# KiCad board poly_kb_molecule_16x5.kicad_pcb (continued)
## Routing (per net, layer and track width the routed paths; a pad name or vN(x,y) marks a point on that pad's centre or on a via; arc(x,y) is an arc through that point) (continued)
  Bottom w0.254: v1(116.95,21.5) 117,21.5 117.9,22.4 117.9,22.4 117.9,23.87 118.22,24.19 118.69,24.19 118.69,24.19 118.91,24.19 118.91,24.2 119.1,24.2 ; 290.55,24.2 290.65,24.2 290.75,24.3 292.05,24.3 292.21,24.46 298.12,24.46 298.4,24.74 298.4,24.78 298.4,24.78 298.4,24.8 298.4,24.8 298.4,25.56 298.63,25.78 298.63,28.04 298.35,28.32 298.35,29.51 297.81,30.04 SW1#53.1 ; 290.55,24.2 290.36,24.2 290.36,24.19 290.14,24.19 290.14,24.19 289.67,24.19 289.35,23.87 289.35,22.4 289.35,22.4 288.45,21.5 v1(288.4,21.5) ; 290.55,24.2 290.55,24.2 ; SW1#2.1 240.67,49.09 241.2,48.56 241.2,47.37 241.48,47.09 241.48,44.83 241.25,44.61 241.25,43.85 241.25,43.85 241.25,43.83 241.25,43.83 241.25,43.79 240.97,43.51 235.06,43.51 234.9,43.35 233.6,43.35 233.5,43.25 233.4,43.25 ; v1(59.8,21.5) 59.85,21.5 60.75,22.4 60.75,22.4 60.75,23.87 61.07,24.19 61.54,24.19 61.54,24.19 61.76,24.19 61.76,24.2 61.95,24.2 ; 176.25,5.15 176.35,5.15 176.45,5.25 177.75,5.25 177.91,5.41 183.82,5.41 184.1,5.69 184.1,5.73 184.1,5.73 184.1,5.75 184.1,5.75 184.1,6.51 184.33,6.73 184.33,8.99 184.05,9.27 184.05,10.46 183.51,10.99 SW1#74.1 ; 176.25,5.15 176.06,5.15 176.06,5.14 175.84,5.14 175.84,5.14 175.37,5.14 175.05,4.82 175.05,3.35 175.05,3.35 174.15,2.45 v1(174.1,2.45) ; 176.25,5.15 176.25,5.15 ; 138.15,43.25 138.15,43.25 ; 138.15,43.25 137.96,43.25 137.96,43.24 137.74,43.24 137.74,43.24 137.27,43.24 136.95,42.92 136.95,41.45 136.95,41.45 136.05,40.55 v1(136,40.55) ; 138.15,43.25 138.25,43.25 138.35,43.35 139.65,43.35 139.81,43.51 145.72,43.51 146,43.79 146,43.83 146,43.83 146,43.85 146,43.85 146,44.61 146.23,44.83 146.23,47.09 145.95,47.37 145.95,48.56 145.41,49.09 SW1#56.1 ; 100.05,5.15 100.15,5.15 100.25,5.25 101.55,5.25 101.71,5.41 107.62,5.41 107.9,5.69 107.9,5.73 107.9,5.73 107.9,5.75 107.9,5.75 107.9,6.51 108.13,6.73 108.13,8.99 107.85,9.27 107.85,10.46 107.31,10.99 SW1#6.1 ; 100.05,5.15 99.86,5.15 99.86,5.14 99.64,5.14 99.64,5.14 99.17,5.14 98.85,4.82 98.85,3.35 98.85,3.35 97.95,2.45 v1(97.9,2.45) ; 100.05,5.15 100.05,5.15 ; 4.8,24.2 4.9,24.2 5,24.3 6.3,24.3 6.46,24.46 12.37,24.46 12.65,24.74 12.65,24.78 12.65,24.78 12.65,24.8 12.65,24.8 12.65,25.56 12.88,25.78 12.88,28.04 12.6,28.32 12.6,29.51 12.06,30.04 SW1#34.1 ; 4.8,24.2 4.8,24.2 ; 4.8,24.2 4.61,24.2 4.61,24.19 4.39,24.19 4.39,24.19 3.92,24.19 3.6,23.87 3.6,22.4 3.6,22.4 2.7,21.5 v1(2.65,21.5) ; SW1#23.1 202.56,10.99 203.1,10.46 203.1,9.27 203.38,8.99 203.38,6.73 203.15,6.51 203.15,5.75 203.15,5.75 203.15,5.73 203.15,5.73 203.15,5.69 202.87,5.41 196.96,5.41 196.8,5.25 195.5,5.25 195.4,5.15 195.3,5.15 ; SW1#7.1 278.76,68.14 279.3,67.61 279.3,66.42 279.58,66.14 279.58,63.88 279.35,63.66 279.35,62.9 279.35,62.9 279.35,62.88 279.35,62.88 279.35,62.84 279.07,62.56 273.16,62.56 273,62.4 271.7,62.4 271.6,62.3 271.5,62.3 ; 176.25,81.35 176.25,81.35 ; 176.25,81.35 176.35,81.35 176.45,81.45 177.75,81.45 177.91,81.61 183.82,81.61 184.1,81.89 184.1,81.93 184.1,81.93 184.1,81.95 184.1,81.95 184.1,82.71 184.33,82.93 184.33,85.19 184.05,85.47 184.05,86.66 183.51,87.19 SW1#22.1 ; 176.25,81.35 176.06,81.35 176.06,81.34 175.84,81.34 175.84,81.34 175.37,81.34 175.05,81.02 175.05,79.55 175.05,79.55 174.15,78.65 v1(174.1,78.65) ; v1(250.3,78.65) 250.35,78.65 251.25,79.55 251.25,79.55 251.25,81.02 251.57,81.34 252.04,81.34 252.04,81.34 252.26,81.34 252.26,81.35 252.45,81.35 ; 4.8,5.15 4.8,5.15 ; 4.8,5.15 4.61,5.15 4.61,5.14 4.39,5.14 4.39,5.14 3.92,5.14 3.6,4.82 3.6,3.35 3.6,3.35 2.7,2.45 v1(2.65,2.45) ; 4.8,5.15 4.9,5.15 5,5.25 6.3,5.25 6.46,5.41 12.37,5.41 12.65,5.69 12.65,5.73 12.65,5.73 12.65,5.75 12.65,5.75 12.65,6.51 12.88,6.73 12.88,8.99 12.6,9.27 12.6,10.46 12.06,10.99 SW1#30.1 ; 100.05,24.2 99.86,24.2 99.86,24.19 99.64,24.19 99.64,24.19 99.17,24.19 98.85,23.87 98.85,22.4 98.85,22.4 97.95,21.5 v1(97.9,21.5) ; 100.05,24.2 100.15,24.2 100.25,24.3 101.55,24.3 101.71,24.46 107.62,24.46 107.9,24.74 107.9,24.78 107.9,24.78 107.9,24.8 107.9,24.8 107.9,25.56 108.13,25.78 108.13,28.04 107.85,28.32 107.85,29.51 107.31,30.04 SW1#9.1 ; 100.05,24.2 100.05,24.2 ; v1(21.7,21.5) 21.75,21.5 22.65,22.4 22.65,22.4 22.65,23.87 22.97,24.19 23.44,24.19 23.44,24.19 23.66,24.19 23.66,24.2 23.85,24.2 ; 214.35,62.3 214.45,62.3 214.55,62.4 215.85,62.4 216.01,62.56 221.92,62.56 222.2,62.84 222.2,62.88 222.2,62.88 222.2,62.9 222.2,62.9 222.2,63.66 222.43,63.88 222.43,66.14 222.15,66.42 222.15,67.61 221.62,68.14 SW1#4.1 ; 214.35,62.3 214.16,62.3 214.16,62.29 213.94,62.29 213.94,62.29 213.47,62.29 213.15,61.97 213.15,60.5 213.15,60.5 212.25,59.6 v1(212.2,59.6) ; 214.35,62.3 214.35,62.3 ; 214.35,24.2 214.35,24.2 ; 214.35,24.2 214.16,24.2 214.16,24.19 213.94,24.19 213.94,24.19 213.47,24.19 213.15,23.87 213.15,22.4 213.15,22.4 212.25,21.5 v1(212.2,21.5) ; 214.35,24.2 214.45,24.2 214.55,24.3 215.85,24.3 216.01,24.46 221.92,24.46 222.2,24.74 222.2,24.78 222.2,24.78 222.2,24.8 222.2,24.8 222.2,25.56 222.43,25.78 222.43,28.04 222.15,28.32 222.15,29.51 221.62,30.04 SW1#37.1 ; 233.4,62.3 233.5,62.3 233.6,62.4 234.9,62.4 235.06,62.56 240.97,62.56 241.25,62.84 241.25,62.88 241.25,62.88 241.25,62.9 241.25,62.9 241.25,63.66 241.48,63.88 241.48,66.14 241.2,66.42 241.2,67.61 240.67,68.14 SW1#72.1 ; 233.4,62.3 233.4,62.3 ; 233.4,62.3 233.21,62.3 233.21,62.29 232.99,62.29 232.99,62.29 232.52,62.29 232.2,61.97 232.2,60.5 232.2,60.5 231.3,59.6 v1(231.25,59.6) ; 119.1,24.2 119.1,24.2 ; 119.1,24.2 119.2,24.2 119.3,24.3 120.6,24.3 120.76,24.46 126.67,24.46 126.95,24.74 126.95,24.78 126.95,24.78 126.95,24.8 126.95,24.8 126.95,25.56 127.18,25.78 127.18,28.04 126.9,28.32 126.9,29.51 126.37,30.04 SW1#19.1 ; 23.85,81.35 23.66,81.35 23.66,81.34 23.44,81.34 23.44,81.34 22.97,81.34 22.65,81.02 22.65,79.55 22.65,79.55 21.75,78.65 v1(21.7,78.65) ; 23.85,81.35 23.95,81.35 24.05,81.45 25.35,81.45 25.51,81.61 31.42,81.61 31.7,81.89 31.7,81.93 31.7,81.93 31.7,81.95 31.7,81.95 31.7,82.71 31.93,82.93 31.93,85.19 31.65,85.47 31.65,86.66 31.11,87.19 SW1#42.1 ; 23.85,81.35 23.85,81.35 ; 100.05,81.35 99.86,81.35 99.86,81.34 99.64,81.34 99.64,81.34 99.17,81.34 98.85,81.02 98.85,79.55 98.85,79.55 97.95,78.65 v1(97.9,78.65) ; 100.05,81.35 100.05,81.35 ; 100.05,81.35 100.15,81.35 100.25,81.45 101.55,81.45 101.71,81.61 107.62,81.61 107.9,81.89 107.9,81.93 107.9,81.93 107.9,81.95 107.9,81.95 107.9,82.71 108.13,82.93 108.13,85.19 107.85,85.47 107.85,86.66 107.31,87.19 SW1#43.1 ; v1(78.85,2.45) 78.9,2.45 79.8,3.35 79.8,3.35 79.8,4.82 80.12,5.14 80.59,5.14 80.59,5.14 80.81,5.14 80.81,5.15 81,5.15 ; SW1#63.1 50.16,68.14 50.7,67.61 50.7,66.42 50.98,66.14 50.98,63.88 50.75,63.66 50.75,62.9 50.75,62.9 50.75,62.88 50.75,62.88 50.75,62.84 50.47,62.56 44.56,62.56 44.4,62.4 43.1,62.4 43,62.3 42.9,62.3 ; 252.45,5.15 252.45,5.15 ; 252.45,5.15 252.55,5.15 252.65,5.25 253.95,5.25 254.11,5.41 260.02,5.41 260.3,5.69 260.3,5.73 260.3,5.73 260.3,5.75 260.3,5.75 260.3,6.51 260.53,6.73 260.53,8.99 260.25,9.27 260.25,10.46 259.71,10.99 SW1#12.1 ; 252.45,5.15 252.26,5.15 252.26,5.14 252.04,5.14 252.04,5.14 251.57,5.14 251.25,4.82 251.25,3.35 251.25,3.35 250.35,2.45 v1(250.3,2.45) ; v1(116.95,78.65) 117,78.65 117.9,79.55 117.9,79.55 117.9,81.02 118.22,81.34 118.69,81.34 118.69,81.34 118.91,81.34 118.91,81.35 119.1,81.35 ; 138.15,81.35 137.96,81.35 137.96,81.34 137.74,81.34 137.74,81.34 137.27,81.34 136.95,81.02 136.95,79.55 136.95,79.55 136.05,78.65 v1(136,78.65) ; 138.15,81.35 138.15,81.35 ; 138.15,81.35 138.25,81.35 138.35,81.45 139.65,81.45 139.81,81.61 145.72,81.61 146,81.89 146,81.93 146,81.93 146,81.95 146,81.95 146,82.71 146.23,82.93 146.23,85.19 145.95,85.47 145.95,86.66 145.41,87.19 SW1#64.1 ; 138.15,5.15 137.96,5.15 137.96,5.14 137.74,5.14 137.74,5.14 137.27,5.14 136.95,4.82 136.95,3.35 136.95,3.35 136.05,2.45 v1(136,2.45) ; 138.15,5.15 138.25,5.15 138.35,5.25 139.65,5.25 139.81,5.41 145.72,5.41 146,5.69 146,5.73 146,5.73 146,5.75 146,5.75 146,6.51 146.23,6.73 146.23,8.99 145.95,9.27 145.95,10.46 145.41,10.99 SW1#62.1 ; 138.15,5.15 138.15,5.15 ; 195.3,43.25 195.3,43.25 ; 195.3,43.25 195.4,43.25 195.5,43.35 196.8,43.35 196.96,43.51 202.87,43.51 203.15,43.79 203.15,43.83 203.15,43.83 203.15,43.85 203.15,43.85 203.15,44.61 203.38,44.83 203.38,47.09 203.1,47.37 203.1,48.56 202.56,49.09 SW1#61.1 ; 195.3,43.25 195.11,43.25 195.11,43.24 194.89,43.24 194.89,43.24 194.42,43.24 194.1,42.92 194.1,41.45 194.1,41.45 193.2,40.55 v1(193.15,40.55) ; 233.4,5.15 233.4,5.15 ; 233.4,5.15 233.21,5.15 233.21,5.14 232.99,5.14 232.99,5.14 232.52,5.14 232.2,4.82 232.2,3.35 232.2,3.35 231.3,2.45 v1(231.25,2.45) ; 233.4,5.15 233.5,5.15 233.6,5.25 234.9,5.25 235.06,5.41 240.97,5.41 241.25,5.69 241.25,5.73 241.25,5.73 241.25,5.75 241.25,5.75 241.25,6.51 241.48,6.73 241.48,8.99 241.2,9.27 241.2,10.46 240.67,10.99 SW1#13.1 ; 252.45,24.2 252.26,24.2 252.26,24.19 252.04,24.19 252.04,24.19 251.57,24.19 251.25,23.87 251.25,22.4 251.25,22.4 250.35,21.5 v1(250.3,21.5) ; 252.45,24.2 252.55,24.2 252.65,24.3 253.95,24.3 254.11,24.46 260.02,24.46 260.3,24.74 260.3,24.78 260.3,24.78 260.3,24.8 260.3,24.8 260.3,25.56 260.53,25.78 260.53,28.04 260.25,28.32 260.25,29.51 259.71,30.04 SW1#54.1 ; 252.45,24.2 252.45,24.2 ; 233.4,43.25 233.4,43.25 ; 233.4,43.25 233.21,43.25 233.21,43.24 232.99,43.24 232.99,43.24 232.52,43.24 232.2,42.92 232.2,41.45 232.2,41.45 231.3,40.55 v1(231.25,40.55) ; 100.05,43.25 99.86,43.25 99.86,43.24 99.64,43.24 99.64,43.24 99.17,43.24 98.85,42.92 98.85,41.45 98.85,41.45 97.95,40.55 v1(97.9,40.55) ; 100.05,43.25 100.15,43.25 100.25,43.35 101.55,43.35 101.71,43.51 107.62,43.51 107.9,43.79 107.9,43.83 107.9,43.83 107.9,43.85 107.9,43.85 107.9,44.61 108.13,44.83 108.13,47.09 107.85,47.37 107.85,48.56 107.31,49.09 SW1#29.1 ; 100.05,43.25 100.05,43.25 ; 61.95,43.25 61.95,43.25 ; 61.95,43.25 61.76,43.25 61.76,43.24 61.54,43.24 61.54,43.24 61.07,43.24 60.75,42.92 60.75,41.45 60.75,41.45 59.85,40.55 v1(59.8,40.55) ; 61.95,43.25 62.05,43.25 62.15,43.35 63.45,43.35 63.61,43.51 69.52,43.51 69.8,43.79 69.8,43.83 69.8,43.83 69.8,43.85 69.8,43.85 69.8,44.61 70.03,44.83 70.03,47.09 69.75,47.37 69.75,48.56 69.22,49.09 SW1#35.1 ; v1(269.35,59.6) 269.4,59.6 270.3,60.5 270.3,60.5 270.3,61.97 270.62,62.29 271.09,62.29 271.09,62.29 271.31,62.29 271.31,62.3 271.5,62.3 ; v1(288.4,59.6) 288.45,59.6 289.35,60.5 289.35,60.5 289.35,61.97 289.67,62.29 290.14,62.29 290.14,62.29 290.36,62.29 290.36,62.3 290.55,62.3 ; 195.3,81.35 195.4,81.35 195.5,81.45 196.8,81.45 196.96,81.61 202.87,81.61 203.15,81.89 203.15,81.93 203.15,81.93 203.15,81.95 203.15,81.95 203.15,82.71 203.38,82.93 203.38,85.19 203.1,85.47 203.1,86.66 202.56,87.19 SW1#66.1 ; 195.3,81.35 195.3,81.35 ; 195.3,81.35 195.11,81.35 195.11,81.34 194.89,81.34 194.89,81.34 194.42,81.34 194.1,81.02 194.1,79.55 194.1,79.55 193.2,78.65 v1(193.15,78.65) ; SW1#78.1 278.76,10.99 279.3,10.46 279.3,9.27 279.58,8.99 279.58,6.73 279.35,6.51 279.35,5.75 279.35,5.75 279.35,5.73 279.35,5.73 279.35,5.69 279.07,5.41 273.16,5.41 273,5.25 271.7,5.25 271.6,5.15 271.5,5.15 ; 81,5.15 81,5.15 ; 81,5.15 81.1,5.15 81.2,5.25 82.5,5.25 82.66,5.41 88.57,5.41 88.85,5.69 88.85,5.73 88.85,5.73 88.85,5.75 88.85,5.75 88.85,6.51 89.08,6.73 89.08,8.99 88.8,9.27 88.8,10.46 88.27,10.99 SW1#48.1 ; 290.55,43.25 290.55,43.25 ; 290.55,43.25 290.36,43.25 290.36,43.24 290.14,43.24 290.14,43.24 289.67,43.24 289.35,42.92 289.35,41.45 289.35,41.45 288.45,40.55 v1(288.4,40.55) ; 290.55,43.25 290.65,43.25 290.75,43.35 292.05,43.35 292.21,43.51 298.12,43.51 298.4,43.79 298.4,43.83 298.4,43.83 298.4,43.85 298.4,43.85 298.4,44.61 298.63,44.83 298.63,47.09 298.35,47.37 298.35,48.56 297.81,49.09 SW1#33.1 ; SW1#38.1 183.51,49.09 184.05,48.56 184.05,47.37 184.33,47.09 184.33,44.83 184.1,44.61 184.1,43.85 184.1,43.85 184.1,43.83 184.1,43.83 184.1,43.79 183.82,43.51 177.91,43.51 177.75,43.35 176.45,43.35 176.35,43.25 176.25,43.25 ; SW1.1 12.06,87.19 12.6,86.66 12.6,85.47 12.88,85.19 12.88,82.93 12.65,82.71 12.65,81.95 12.65,81.95 12.65,81.93 12.65,81.93 12.65,81.89 12.37,81.61 6.46,81.61 6.3,81.45 5,81.45 4.9,81.35 4.8,81.35 ; 42.9,62.3 42.71,62.3 42.71,62.29 42.49,62.29 42.49,62.29 42.02,62.29 41.7,61.97 41.7,60.5 41.7,60.5 40.8,59.6 v1(40.75,59.6) ; 42.9,62.3 42.9,62.3 ; v1(212.2,2.45) 212.25,2.45 213.15,3.35 213.15,3.35 213.15,4.82 213.47,5.14 213.94,5.14 213.94,5.14 214.16,5.14 214.16,5.15 214.35,5.15 ; SW1#76.1 50.16,87.19 50.7,86.66 50.7,85.47 50.98,85.19 50.98,82.93 50.75,82.71 50.75,81.95 50.75,81.95 50.75,81.93 50.75,81.93 50.75,81.89 50.47,81.61 44.56,81.61 44.4,81.45 43.1,81.45 43,81.35 42.9,81.35 ; 195.3,24.2 195.11,24.2 195.11,24.19 194.89,24.19 194.89,24.19 194.42,24.19 194.1,23.87 194.1,22.4 194.1,22.4 193.2,21.5 v1(193.15,21.5) ; 195.3,24.2 195.4,24.2 195.5,24.3 196.8,24.3 196.96,24.46 202.87,24.46 203.15,24.74 203.15,24.78 203.15,24.78 203.15,24.8 203.15,24.8 203.15,25.56 203.38,25.78 203.38,28.04 203.1,28.32 203.1,29.51 202.56,30.04 SW1#11.1 ; 195.3,24.2 195.3,24.2 ; 23.85,43.25 23.85,43.25 ; 23.85,43.25 23.95,43.25 24.05,43.35 25.35,43.35 25.51,43.51 31.42,43.51 31.7,43.79 31.7,43.83 31.7,43.83 31.7,43.85 31.7,43.85 31.7,44.61 31.93,44.83 31.93,47.09 31.65,47.37 31.65,48.56 31.11,49.09 SW1#71.1 ; 23.85,43.25 23.66,43.25 23.66,43.24 23.44,43.24 23.44,43.24 22.97,43.24 22.65,42.92 22.65,41.45 22.65,41.45 21.75,40.55 v1(21.7,40.55) ; 23.85,62.3 23.85,62.3 ; 23.85,62.3 23.66,62.3 23.66,62.29 23.44,62.29 23.44,62.29 22.97,62.29 22.65,61.97 22.65,60.5 22.65,60.5 21.75,59.6 v1(21.7,59.6) ; 23.85,62.3 23.95,62.3 24.05,62.4 25.35,62.4 25.51,62.56 31.42,62.56 31.7,62.84 31.7,62.88 31.7,62.88 31.7,62.9 31.7,62.9 31.7,63.66 31.93,63.88 31.93,66.14 31.65,66.42 31.65,67.61 31.11,68.14 SW1#39.1 ; 176.25,43.25 176.06,43.25 176.06,43.24 175.84,43.24 175.84,43.24 175.37,43.24 175.05,42.92 175.05,41.45 175.05,41.45 174.15,40.55 v1(174.1,40.55) ; 176.25,43.25 176.25,43.25 ; 81,43.25 80.81,43.25 80.81,43.24 80.59,43.24 80.59,43.24 80.12,43.24 79.8,42.92 79.8,41.45 79.8,41.45 78.9,40.55 v1(78.85,40.55) ; 81,43.25 81,43.25 ; 81,43.25 81.1,43.25 81.2,43.35 82.5,43.35 82.66,43.51 88.57,43.51 88.85,43.79 88.85,43.83 88.85,43.83 88.85,43.85 88.85,43.85 88.85,44.61 89.08,44.83 89.08,47.09 88.8,47.37 88.8,48.56 88.27,49.09 SW1#3.1 ; 119.1,62.3 119.1,62.3 ; 119.1,62.3 118.91,62.3 118.91,62.29 118.69,62.29 118.69,62.29 118.22,62.29 117.9,61.97 117.9,60.5 117.9,60.5 117,59.6 v1(116.95,59.6) ; 119.1,62.3 119.2,62.3 119.3,62.4 120.6,62.4 120.76,62.56 126.67,62.56 126.95,62.84 126.95,62.88 126.95,62.88 126.95,62.9 126.95,62.9 126.95,63.66 127.18,63.88 127.18,66.14 126.9,66.42 126.9,67.61 126.37,68.14 SW1#44.1 ; 233.4,81.35 233.4,81.35 ; 233.4,81.35 233.21,81.35 233.21,81.34 232.99,81.34 232.99,81.34 232.52,81.34 232.2,81.02 232.2,79.55 232.2,79.55 231.3,78.65 v1(231.25,78.65) ; 233.4,81.35 233.5,81.35 233.6,81.45 234.9,81.45 235.06,81.61 240.97,81.61 241.25,81.89 241.25,81.93 241.25,81.93 241.25,81.95 241.25,81.95 241.25,82.71 241.48,82.93 241.48,85.19 241.2,85.47 241.2,86.66 240.67,87.19 SW1#8.1 ; 195.3,62.3 195.11,62.3 195.11,62.29 194.89,62.29 194.89,62.29 194.42,62.29 194.1,61.97 194.1,60.5 194.1,60.5 193.2,59.6 v1(193.15,59.6) ; 195.3,62.3 195.4,62.3 195.5,62.4 196.8,62.4 196.96,62.56 202.87,62.56 203.15,62.84 203.15,62.88 203.15,62.88 203.15,62.9 203.15,62.9 203.15,63.66 203.38,63.88 203.38,66.14 203.1,66.42 203.1,67.61 202.56,68.14 SW1#49.1 ; 195.3,62.3 195.3,62.3 ; 214.35,5.15 214.45,5.15 214.55,5.25 215.85,5.25 216.01,5.41 221.92,5.41 222.2,5.69 222.2,5.73 222.2,5.73 222.2,5.75 222.2,5.75 222.2,6.51 222.43,6.73 222.43,8.99 222.15,9.27 222.15,10.46 221.62,10.99 SW1#52.1 ; 214.35,5.15 214.35,5.15 ; 271.5,5.15 271.5,5.15 ; 271.5,5.15 271.31,5.15 271.31,5.14 271.09,5.14 271.09,5.14 270.62,5.14 270.3,4.82 270.3,3.35 270.3,3.35 269.4,2.45 v1(269.35,2.45) ; 176.25,62.3 176.35,62.3 176.45,62.4 177.75,62.4 177.91,62.56 183.82,62.56 184.1,62.84 184.1,62.88 184.1,62.88 184.1,62.9 184.1,62.9 184.1,63.66 184.33,63.88 184.33,66.14 184.05,66.42 184.05,67.61 183.51,68.14 SW1#10.1 ; 176.25,62.3 176.06,62.3 176.06,62.29 175.84,62.29 175.84,62.29 175.37,62.29 175.05,61.97 175.05,60.5 175.05,60.5 174.15,59.6 v1(174.1,59.6) ; 176.25,62.3 176.25,62.3 ; SW1#31.1 278.76,30.04 279.3,29.51 279.3,28.32 279.58,28.04 279.58,25.78 279.35,25.56 279.35,24.8 279.35,24.8 279.35,24.78 279.35,24.78 279.35,24.74 279.07,24.46 273.16,24.46 273,24.3 271.7,24.3 271.6,24.2 271.5,24.2 ; 23.85,5.15 23.66,5.15 23.66,5.14 23.44,5.14 23.44,5.14 22.97,5.14 22.65,4.82 22.65,3.35 22.65,3.35 21.75,2.45 v1(21.7,2.45) ; 23.85,5.15 23.85,5.15 ; 23.85,5.15 23.95,5.15 24.05,5.25 25.35,5.25 25.51,5.41 31.42,5.41 31.7,5.69 31.7,5.73 31.7,5.73 31.7,5.75 31.7,5.75 31.7,6.51 31.93,6.73 31.93,8.99 31.65,9.27 31.65,10.46 31.11,10.99 SW1#69.1 ; v1(269.35,40.55) 269.4,40.55 270.3,41.45 270.3,41.45 270.3,42.92 270.62,43.24 271.09,43.24 271.09,43.24 271.31,43.24 271.31,43.25 271.5,43.25 ; SW1#25.1 50.16,30.04 50.7,29.51 50.7,28.32 50.98,28.04 50.98,25.78 50.75,25.56 50.75,24.8 50.75,24.8 50.75,24.78 50.75,24.78 50.75,24.74 50.47,24.46 44.56,24.46 44.4,24.3 43.1,24.3 43,24.2 42.9,24.2 ; SW1#55.1 145.41,30.04 145.95,29.51 145.95,28.32 146.23,28.04 146.23,25.78 146,25.56 146,24.8 146,24.8 146,24.78 146,24.78 146,24.74 145.72,24.46 139.81,24.46 139.65,24.3 138.35,24.3 138.25,24.2 138.15,24.2 ; v1(40.75,21.5) 40.8,21.5 41.7,22.4 41.7,22.4 41.7,23.87 42.02,24.19 42.49,24.19 42.49,24.19 42.71,24.19 42.71,24.2 42.9,24.2 ; 42.9,24.2 42.9,24.2 ; 61.95,81.35 61.76,81.35 61.76,81.34 61.54,81.34 61.54,81.34 61.07,81.34 60.75,81.02 60.75,79.55 60.75,79.55 59.85,78.65 v1(59.8,78.65) ; 61.95,81.35 62.05,81.35 62.15,81.45 63.45,81.45 63.61,81.61 69.52,81.61 69.8,81.89 69.8,81.93 69.8,81.93 69.8,81.95 69.8,81.95 69.8,82.71 70.03,82.93 70.03,85.19 69.75,85.47 69.75,86.66 69.22,87.19 SW1#40.1 ; 61.95,81.35 61.95,81.35 ; v1(231.25,21.5) 231.3,21.5 232.2,22.4 232.2,22.4 232.2,23.87 232.52,24.19 232.99,24.19 232.99,24.19 233.21,24.19 233.21,24.2 233.4,24.2 ; 214.35,43.25 214.35,43.25 ; 214.35,43.25 214.16,43.25 214.16,43.24 213.94,43.24 213.94,43.24 213.47,43.24 213.15,42.92 213.15,41.45 213.15,41.45 212.25,40.55 v1(212.2,40.55) ; 214.35,43.25 214.45,43.25 214.55,43.35 215.85,43.35 216.01,43.51 221.92,43.51 222.2,43.79 222.2,43.83 222.2,43.83 222.2,43.85 222.2,43.85 222.2,44.61 222.43,44.83 222.43,47.09 222.15,47.37 222.15,48.56 221.62,49.09 SW1#70.1 ; v1(40.75,78.65) 40.8,78.65 41.7,79.55 41.7,79.55 41.7,81.02 42.02,81.34 42.49,81.34 42.49,81.34 42.71,81.34 42.71,81.35 42.9,81.35 ; 61.95,62.3 61.95,62.3 ; 61.95,62.3 62.05,62.3 62.15,62.4 63.45,62.4 63.61,62.56 69.52,62.56 69.8,62.84 69.8,62.88 69.8,62.88 69.8,62.9 69.8,62.9 69.8,63.66 70.03,63.88 70.03,66.14 69.75,66.42 69.75,67.61 69.22,68.14 SW1#57.1 ; 61.95,62.3 61.76,62.3 61.76,62.29 61.54,62.29 61.54,62.29 61.07,62.29 60.75,61.97 60.75,60.5 60.75,60.5 59.85,59.6 v1(59.8,59.6) ; 271.5,43.25 271.6,43.25 271.7,43.35 273,43.35 273.16,43.51 279.07,43.51 279.35,43.79 279.35,43.83 279.35,43.83 279.35,43.85 279.35,43.85 279.35,44.61 279.58,44.83 279.58,47.09 279.3,47.37 279.3,48.56 278.76,49.09 SW1#20.1 ; 271.5,43.25 271.5,43.25 ; 233.4,24.2 233.4,24.2 ; 233.4,24.2 233.5,24.2 233.6,24.3 234.9,24.3 235.06,24.46 240.97,24.46 241.25,24.74 241.25,24.78 241.25,24.78 241.25,24.8 241.25,24.8 241.25,25.56 241.48,25.78 241.48,28.04 241.2,28.32 241.2,29.51 240.67,30.04 SW1#18.1 ; 290.55,5.15 290.55,5.15 ; 290.55,5.15 290.65,5.15 290.75,5.25 292.05,5.25 292.21,5.41 298.12,5.41 298.4,5.69 298.4,5.73 298.4,5.73 298.4,5.75 298.4,5.75 298.4,6.51 298.63,6.73 298.63,8.99 298.35,9.27 298.35,10.46 297.81,10.99 SW1#59.1 ; 290.55,5.15 290.36,5.15 290.36,5.14 290.14,5.14 290.14,5.14 289.67,5.14 289.35,4.82 289.35,3.35 289.35,3.35 288.45,2.45 v1(288.4,2.45) ; 290.55,81.35 290.36,81.35 290.36,81.34 290.14,81.34 290.14,81.34 289.67,81.34 289.35,81.02 289.35,79.55 289.35,79.55 288.45,78.65 v1(288.4,78.65) ; 290.55,81.35 290.55,81.35 ; 290.55,81.35 290.65,81.35 290.75,81.45 292.05,81.45 292.21,81.61 298.12,81.61 298.4,81.89 298.4,81.93 298.4,81.93 298.4,81.95 298.4,81.95 298.4,82.71 298.63,82.93 298.63,85.19 298.35,85.47 298.35,86.66 297.81,87.19 SW1#73.1 ; v1(250.3,59.6) 250.35,59.6 251.25,60.5 251.25,60.5 251.25,61.97 251.57,62.29 252.04,62.29 252.04,62.29 252.26,62.29 252.26,62.3 252.45,62.3 ; v1(59.8,2.45) 59.85,2.45 60.75,3.35 60.75,3.35 60.75,4.82 61.07,5.14 61.54,5.14 61.54,5.14 61.76,5.14 61.76,5.15 61.95,5.15 ; 100.05,62.3 100.05,62.3 ; 100.05,62.3 100.15,62.3 100.25,62.4 101.55,62.4 101.71,62.56 107.62,62.56 107.9,62.84 107.9,62.88 107.9,62.88 107.9,62.9 107.9,62.9 107.9,63.66 108.13,63.88 108.13,66.14 107.85,66.42 107.85,67.61 107.31,68.14 SW1#32.1 ; 100.05,62.3 99.86,62.3 99.86,62.29 99.64,62.29 99.64,62.29 99.17,62.29 98.85,61.97 98.85,60.5 98.85,60.5 97.95,59.6 v1(97.9,59.6) ; 119.1,81.35 119.2,81.35 119.3,81.45 120.6,81.45 120.76,81.61 126.67,81.61 126.95,81.89 126.95,81.93 126.95,81.93 126.95,81.95 126.95,81.95 126.95,82.71 127.18,82.93 127.18,85.19 126.9,85.47 126.9,86.66 126.37,87.19 SW1#27.1 ; 119.1,81.35 119.1,81.35 ; 271.5,24.2 271.31,24.2 271.31,24.19 271.09,24.19 271.09,24.19 270.62,24.19 270.3,23.87 270.3,22.4 270.3,22.4 269.4,21.5 v1(269.35,21.5) ; 271.5,24.2 271.5,24.2 ; SW1#36.1 88.27,87.19 88.8,86.66 88.8,85.47 89.08,85.19 89.08,82.93 88.85,82.71 88.85,81.95 88.85,81.95 88.85,81.93 88.85,81.93 88.85,81.89 88.57,81.61 82.66,81.61 82.5,81.45 81.2,81.45 81.1,81.35 81,81.35 ; 138.15,62.3 137.96,62.3 137.96,62.29 137.74,62.29 137.74,62.29 137.27,62.29 136.95,61.97 136.95,60.5 136.95,60.5 136.05,59.6 v1(136,59.6) ; 138.15,62.3 138.25,62.3 138.35,62.4 139.65,62.4 139.81,62.56 145.72,62.56 146,62.84 146,62.88 146,62.88 146,62.9 146,62.9 146,63.66 146.23,63.88 146.23,66.14 145.95,66.42 145.95,67.61 145.41,68.14 SW1#68.1 ; 138.15,62.3 138.15,62.3 ; 119.1,43.25 119.1,43.25 ; 119.1,43.25 118.91,43.25 118.91,43.24 118.69,43.24 118.69,43.24 118.22,43.24 117.9,42.92 117.9,41.45 117.9,41.45 117,40.55 v1(116.95,40.55) ; 119.1,43.25 119.2,43.25 119.3,43.35 120.6,43.35 120.76,43.51 126.67,43.51 126.95,43.79 126.95,43.83 126.95,43.83 126.95,43.85 126.95,43.85 126.95,44.61 127.18,44.83 127.18,47.09 126.9,47.37 126.9,48.56 126.37,49.09 SW1#26.1 ; 157.2,81.35 157.3,81.35 157.4,81.45 158.7,81.45 158.86,81.61 164.77,81.61 165.05,81.89 165.05,81.93 165.05,81.93 165.05,81.95 165.05,81.95 165.05,82.71 165.28,82.93 165.28,85.19 165,85.47 165,86.66 164.47,87.19 SW1#67.1 ; 157.2,81.35 157.2,81.35 ; 157.2,81.35 157.01,81.35 157.01,81.34 156.79,81.34 156.79,81.34 156.32,81.34 156,81.02 156,79.55 156,79.55 155.1,78.65 v1(155.05,78.65) ; 157.2,43.25 157.01,43.25 157.01,43.24 156.79,43.24 156.79,43.24 156.32,43.24 156,42.92 156,41.45 156,41.45 155.1,40.55 v1(155.05,40.55) ; 157.2,43.25 157.2,43.25 ; 157.2,43.25 157.3,43.25 157.4,43.35 158.7,43.35 158.86,43.51 164.77,43.51 165.05,43.79 165.05,43.83 165.05,43.83 165.05,43.85 165.05,43.85 165.05,44.61 165.28,44.83 165.28,47.09 165,47.37 165,48.56 164.47,49.09 SW1#50.1 ; 61.95,5.15 61.95,5.15 ; 61.95,5.15 62.05,5.15 62.15,5.25 63.45,5.25 63.61,5.41 69.52,5.41 69.8,5.69 69.8,5.73 69.8,5.73 69.8,5.75 69.8,5.75 69.8,6.51 70.03,6.73 70.03,8.99 69.75,9.27 69.75,10.46 69.22,10.99 SW1#58.1 ; 252.45,62.3 252.55,62.3 252.65,62.4 253.95,62.4 254.11,62.56 260.02,62.56 260.3,62.84 260.3,62.88 260.3,62.88 260.3,62.9 260.3,62.9 260.3,63.66 260.53,63.88 260.53,66.14 260.25,66.42 260.25,67.61 259.71,68.14 SW1#5.1 ; 252.45,62.3 252.45,62.3 ; 157.2,24.2 157.01,24.2 157.01,24.19 156.79,24.19 156.79,24.19 156.32,24.19 156,23.87 156,22.4 156,22.4 155.1,21.5 v1(155.05,21.5) ; 157.2,24.2 157.3,24.2 157.4,24.3 158.7,24.3 158.86,24.46 164.77,24.46 165.05,24.74 165.05,24.78 165.05,24.78 165.05,24.8 165.05,24.8 165.05,25.56 165.28,25.78 165.28,28.04 165,28.32 165,29.51 164.47,30.04 SW1#79.1 ; 157.2,24.2 157.2,24.2 ; 271.5,62.3 271.5,62.3 ; 23.85,24.2 23.95,24.2 24.05,24.3 25.35,24.3 25.51,24.46 31.42,24.46 31.7,24.74 31.7,24.78 31.7,24.78 31.7,24.8 31.7,24.8 31.7,25.56 31.93,25.78 31.93,28.04 31.65,28.32 31.65,29.51 31.11,30.04 SW1#28.1 ; 23.85,24.2 23.85,24.2 ; SW1#45.1 12.06,49.09 12.6,48.56 12.6,47.37 12.88,47.09 12.88,44.83 12.65,44.61 12.65,43.85 12.65,43.85 12.65,43.83 12.65,43.83 12.65,43.79 12.37,43.51 6.46,43.51 6.3,43.35 5,43.35 4.9,43.25 4.8,43.25 ; 42.9,43.25 42.9,43.25 ; 42.9,43.25 43,43.25 43.1,43.35 44.4,43.35 44.56,43.51 50.47,43.51 50.75,43.79 50.75,43.83 50.75,43.83 50.75,43.85 50.75,43.85 50.75,44.61 50.98,44.83 50.98,47.09 50.7,47.37 50.7,48.56 50.16,49.09 SW1#60.1 ; 42.9,43.25 42.71,43.25 42.71,43.24 42.49,43.24 42.49,43.24 42.02,43.24 41.7,42.92 41.7,41.45 41.7,41.45 40.8,40.55 v1(40.75,40.55) ; 195.3,5.15 195.3,5.15 ; 195.3,5.15 195.11,5.15 195.11,5.14 194.89,5.14 194.89,5.14 194.42,5.14 194.1,4.82 194.1,3.35 194.1,3.35 193.2,2.45 v1(193.15,2.45) ; 138.15,24.2 138.15,24.2 ; 138.15,24.2 137.96,24.2 137.96,24.19 137.74,24.19 137.74,24.19 137.27,24.19 136.95,23.87 136.95,22.4 136.95,22.4 136.05,21.5 v1(136,21.5) ; SW1#51.1 297.81,68.14 298.35,67.61 298.35,66.42 298.63,66.14 298.63,63.88 298.4,63.66 298.4,62.9 298.4,62.9 298.4,62.88 298.4,62.88 298.4,62.84 298.12,62.56 292.21,62.56 292.05,62.4 290.75,62.4 290.65,62.3 290.55,62.3 ; 4.8,43.25 4.61,43.25 4.61,43.24 4.39,43.24 4.39,43.24 3.92,43.24 3.6,42.92 3.6,41.45 3.6,41.45 2.7,40.55 v1(2.65,40.55) ; 4.8,43.25 4.8,43.25 ; 81,81.35 81,81.35 ; 81,81.35 80.81,81.35 80.81,81.34 80.59,81.34 80.59,81.34 80.12,81.34 79.8,81.02 79.8,79.55 79.8,79.55 78.9,78.65 v1(78.85,78.65) ; 61.95,24.2 62.05,24.2 62.15,24.3 63.45,24.3 63.61,24.46 69.52,24.46 69.8,24.74 69.8,24.78 69.8,24.78 69.8,24.8 69.8,24.8 69.8,25.56 70.03,25.78 70.03,28.04 69.75,28.32 69.75,29.51 69.22,30.04 SW1#41.1 ; 61.95,24.2 61.95,24.2 ; SW1#24.1 278.76,87.19 279.3,86.66 279.3,85.47 279.58,85.19 279.58,82.93 279.35,82.71 279.35,81.95 279.35,81.95 279.35,81.93 279.35,81.93 279.35,81.89 279.07,81.61 273.16,81.61 273,81.45 271.7,81.45 271.6,81.35 271.5,81.35 ; 252.45,81.35 252.55,81.35 252.65,81.45 253.95,81.45 254.11,81.61 260.02,81.61 260.3,81.89 260.3,81.93 260.3,81.93 260.3,81.95 260.3,81.95 260.3,82.71 260.53,82.93 260.53,85.19 260.25,85.47 260.25,86.66 259.71,87.19 SW1#65.1 ; 252.45,81.35 252.45,81.35 ; 214.35,81.35 214.45,81.35 214.55,81.45 215.85,81.45 216.01,81.61 221.92,81.61 222.2,81.89 222.2,81.93 222.2,81.93 222.2,81.95 222.2,81.95 222.2,82.71 222.43,82.93 222.43,85.19 222.15,85.47 222.15,86.66 221.62,87.19 SW1#16.1 ; 214.35,81.35 214.35,81.35 ; 214.35,81.35 214.16,81.35 214.16,81.34 213.94,81.34 213.94,81.34 213.47,81.34 213.15,81.02 213.15,79.55 213.15,79.55 212.25,78.65 v1(212.2,78.65) ; v1(155.05,2.45) 155.1,2.45 156,3.35 156,3.35 156,4.82 156.32,5.14 156.79,5.14 156.79,5.14 157.01,5.14 157.01,5.15 157.2,5.15 ; SW1#77.1 164.47,68.14 165,67.61 165,66.42 165.28,66.14 165.28,63.88 165.05,63.66 165.05,62.9 165.05,62.9 165.05,62.88 165.05,62.88 165.05,62.84 164.77,62.56 158.86,62.56 158.7,62.4 157.4,62.4 157.3,62.3 157.2,62.3 ; 42.9,81.35 42.9,81.35 ; v1(40.75,2.45) 40.8,2.45 41.7,3.35 41.7,3.35 41.7,4.82 42.02,5.14 42.49,5.14 42.49,5.14 42.71,5.14 42.71,5.15 42.9,5.15 ; v1(2.65,78.65) 2.7,78.65 3.6,79.55 3.6,79.55 3.6,81.02 3.92,81.34 4.39,81.34 4.39,81.34 4.61,81.34 4.61,81.35 4.8,81.35 ; 81,24.2 81.1,24.2 81.2,24.3 82.5,24.3 82.66,24.46 88.57,24.46 88.85,24.74 88.85,24.78 88.85,24.78 88.85,24.8 88.85,24.8 88.85,25.56 89.08,25.78 89.08,28.04 88.8,28.32 88.8,29.51 88.27,30.04 SW1#75.1 ; 81,24.2 81,24.2 ; 81,24.2 80.81,24.2 80.81,24.19 80.59,24.19 80.59,24.19 80.12,24.19 79.8,23.87 79.8,22.4 79.8,22.4 78.9,21.5 v1(78.85,21.5) ; 271.5,81.35 271.5,81.35 ; 271.5,81.35 271.31,81.35 271.31,81.34 271.09,81.34 271.09,81.34 270.62,81.34 270.3,81.02 270.3,79.55 270.3,79.55 269.4,78.65 v1(269.35,78.65) ; 4.8,62.3 4.61,62.3 4.61,62.29 4.39,62.29 4.39,62.29 3.92,62.29 3.6,61.97 3.6,60.5 3.6,60.5 2.7,59.6 v1(2.65,59.6) ; 4.8,62.3 4.8,62.3 ; 4.8,62.3 4.9,62.3 5,62.4 6.3,62.4 6.46,62.56 12.37,62.56 12.65,62.84 12.65,62.88 12.65,62.88 12.65,62.9 12.65,62.9 12.65,63.66 12.88,63.88 12.88,66.14 12.6,66.42 12.6,67.61 12.06,68.14 SW1#17.1 ; 252.45,43.25 252.55,43.25 252.65,43.35 253.95,43.35 254.11,43.51 260.02,43.51 260.3,43.79 260.3,43.83 260.3,43.83 260.3,43.85 260.3,43.85 260.3,44.61 260.53,44.83 260.53,47.09 260.25,47.37 260.25,48.56 259.71,49.09 SW1#21.1 ; 252.45,43.25 252.45,43.25 ; 252.45,43.25 252.26,43.25 252.26,43.24 252.04,43.24 252.04,43.24 251.57,43.24 251.25,42.92 251.25,41.45 251.25,41.45 250.35,40.55 v1(250.3,40.55) ; v1(174.1,21.5) 174.15,21.5 175.05,22.4 175.05,22.4 175.05,23.87 175.37,24.19 175.84,24.19 175.84,24.19 176.06,24.19 176.06,24.2 176.25,24.2 ; 157.2,5.15 157.3,5.15 157.4,5.25 158.7,5.25 158.86,5.41 164.77,5.41 165.05,5.69 165.05,5.73 165.05,5.73 165.05,5.75 165.05,5.75 165.05,6.51 165.28,6.73 165.28,8.99 165,9.27 165,10.46 164.47,10.99 SW1#15.1 ; 157.2,5.15 157.2,5.15 ; 42.9,5.15 43,5.15 43.1,5.25 44.4,5.25 44.56,5.41 50.47,5.41 50.75,5.69 50.75,5.73 50.75,5.73 50.75,5.75 50.75,5.75 50.75,6.51 50.98,6.73 50.98,8.99 50.7,9.27 50.7,10.46 50.16,10.99 SW1#80.1 ; 42.9,5.15 42.9,5.15 ; 4.8,81.35 4.8,81.35 ; 157.2,62.3 157.01,62.3 157.01,62.29 156.79,62.29 156.79,62.29 156.32,62.29 156,61.97 156,60.5 156,60.5 155.1,59.6 v1(155.05,59.6) ; 157.2,62.3 157.2,62.3 ; SW1#46.1 88.27,68.14 88.8,67.61 88.8,66.42 89.08,66.14 89.08,63.88 88.85,63.66 88.85,62.9 88.85,62.9 88.85,62.88 88.85,62.88 88.85,62.84 88.57,62.56 82.66,62.56 82.5,62.4 81.2,62.4 81.1,62.3 81,62.3 ; v1(78.85,59.6) 78.9,59.6 79.8,60.5 79.8,60.5 79.8,61.97 80.12,62.29 80.59,62.29 80.59,62.29 80.81,62.29 80.81,62.3 81,62.3 ; 176.25,24.2 176.35,24.2 176.45,24.3 177.75,24.3 177.91,24.46 183.82,24.46 184.1,24.74 184.1,24.78 184.1,24.78 184.1,24.8 184.1,24.8 184.1,25.56 184.33,25.78 184.33,28.04 184.05,28.32 184.05,29.51 183.51,30.04 SW1#47.1 ; 176.25,24.2 176.25,24.2 ; 290.55,62.3 290.55,62.3 ; v1(116.95,2.45) 117,2.45 117.9,3.35 117.9,3.35 117.9,4.82 118.22,5.14 118.69,5.14 118.69,5.14 118.91,5.14 118.91,5.15 119.1,5.15 ; 81,62.3 81,62.3 ; 119.1,5.15 119.1,5.15 ; 119.1,5.15 119.2,5.15 119.3,5.25 120.6,5.25 120.76,5.41 126.67,5.41 126.95,5.69 126.95,5.73 126.95,5.73 126.95,5.75 126.95,5.75 126.95,6.51 127.18,6.73 127.18,8.99 126.9,9.27 126.9,10.46 126.37,10.99 SW1#14.1
